# Altium PCB FIRE ARLARM_DEV.PcbDoc (part 2 of 2)
Units mil, origin at the board's own origin, x right, y up, seen from the top; angles counter-clockwise.
Board outline 3937.01 x 3937.01 mil, 2 copper layers (Top Layer, Bottom Layer); 111 components, 71 nets, 342 pads, 422 vias.
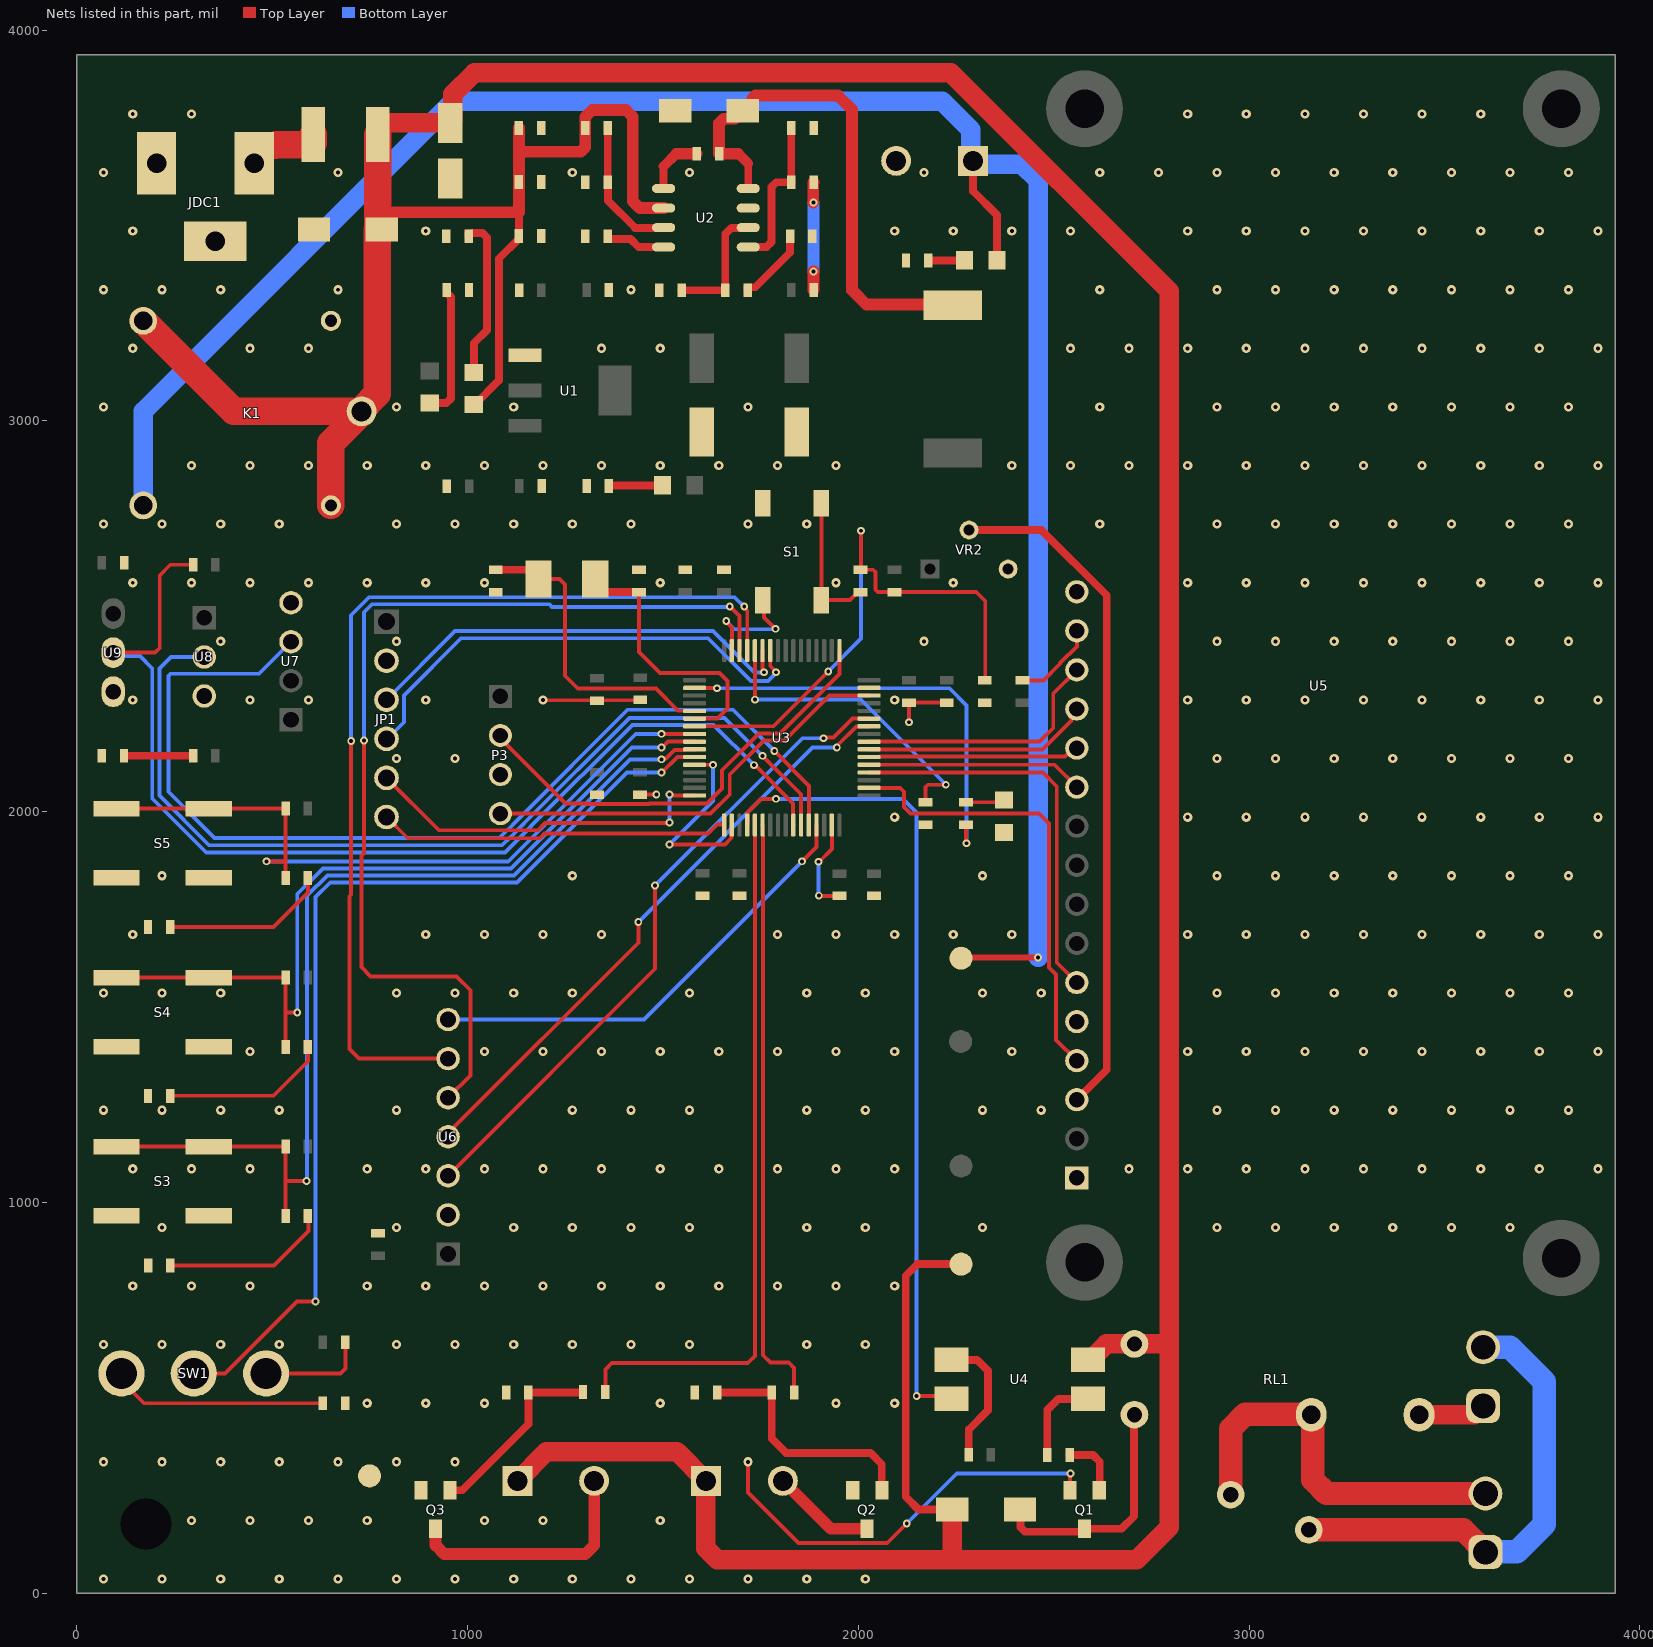
[diagram p2: the nets of this part, all layers, seen from the top]

## Via types
v1: diameter 23.62, hole 10, Top Layer to Bottom Layer, tented both sides, 359 vias
v2: diameter 20, hole 10, Top Layer to Bottom Layer, tented both sides, 63 vias

## Nets (pads, with @x,y where several pads share a name; then routed paths per layer and width w, separated by ;. In a path a pad name is that pad's centre, name@x,y a point inside that pad or via, vN(x,y) a via of type N, cw(c..) or ccw(c..) an arc to the next point about the centre after c; other vN are vias at no path point) (continued)
+12V: C1.1 C9.2 C10.2 C11.2 D1.2 D4.1 D7.2 F1.1 J2.1 J3.1 K1.COIL1 K1.COM K1.NO R4.2 RL1.1 TP2.1 U2.2 U4.4 | length 12194.7
  Top Layer w20: D1.2@779.99,3490 790.82,3490 811.33,3510.51 811.33,3534 ; D4.1@1016,3041.66 1017.97,3041.66 1080.13,3103.82 1080.13,3415.11 1131.46,3466.44 C11.2@1131.46,3473.33 1131.46,3534 ; D7.2@2240.53,214 2154,214 2121.37,246.63 2121.37,812.37 2151,842 TP2.1@2263,842
  Top Layer w30: 811.33,3534 1131.46,3534 C10.2@1131.46,3611.52 1131.46,3689 ; C9.2@1131.46,3750 1131.46,3689 ; U2.2@1501.73,3545 1440.57,3545 1423,3562.57 1423,3778.43 1405.43,3796 1319.03,3796 1301.46,3778.43 R4.2@1301.46,3750 1301.46,3700.72 1289.74,3689 1131.46,3689
  Top Layer w50: F1.1@770,3733 770,3757.87 775,3762.87 C1.1@956,3762.87 962.5,3769.36 962.5,3836.5 1017,3891 2237,3891 2796,3332 2796,637.71 ; J3.1@1127.15,287.43 1201.72,362 1535.43,362 J2.1@1610,287.43 1610,114.29 1639.29,85 2229,85 ; D7.2@2240.53,214 2240.53,96.53 2229,85 ; U4.4@2587.5,597 2599.31,597 2605.81,603.5 2605.81,608.42 2635.1,637.71 RL1.1@2706.83,637.71 2796,637.71 ; 2229,85 2712,85 2796,169 2796,637.71
  Top Layer w60: K1.COM@728.9,3021.85 K1.COM@728.9,3024.72 K1.COM@728.9,3029.26 ; D1.2@769.16,3489.49 769.67,3490 D1.2@779.99,3490
  Top Layer w70: K1.NO@169.84,3256.22 401.34,3024.72 K1.COM@728.9,3024.72 ; K1.COIL1@650.16,2783.78 650.16,2943.11 K1.COM@728.9,3021.85 ; K1.COM@728.9,3029.26 769.16,3069.53 D1.2@769.16,3489.49 ; D1.2@770,3495.51 F1.1@770,3733
AC1: P2.2 RL1.3 VR1.2 | length 1016
  Top Layer w60: VR1.2@2953,252 2953,421 2990,458 3158.19,458 3163.17,453.02 3163.17,290.15 3198.32,255 P2.2@3605.14,255
AC2: P1.2 P2.1 VR1.1 | length 1214.3
  Top Layer w60: VR1.1@3153,162 3548.14,162 P2.1@3605.14,105
  Bottom Layer w60: P1.2@3599.14,629 3668,629 3756,541 3756,176 3685.68,105.68 3605.82,105.68 P2.1@3605.14,105
GND: C1.2 C2.1 C3.1 C4.1 C5.1 C7.2 C8.2 C9.1 C10.1 C11.1 C13.1 C14.1 C15.1 C16.1 C17.1 C19.2 C20.1 C21.1 C22.1 C23.1 C24.1 C25.2 C26.1 C27.1 C28.1 C29.1 C30.1 C31.1 C32.2 C33.2 C34.1 C35.1 D1.1 D2.1 D8.2 J1.2 JDC1.2 JDC1.3 JP1.2 K1.COIL2 P3.3 Q1.1 Q2.1 Q3.1 R2.1 R3.1 R6.1 R7.1 R8.1 R9.1 R10.1 R14.2 R17.1 R18.1 R21.2 R27.2 S1.1 S1.2 S3.3 S3.4 S4.3 S4.4 S5.3 S5.4 TP5.1 U1.1 U2.7 U3.12 U3.18 U3.31 U3.47 U3.63 U5.1 U5.5 U5.16 U6.2 U7.4 U8.3 U9.3 VR2.3 | length 2584.7
  Top Layer w10: v1(1193,2286) 1193.77,2285.23 1330.23,2285.23 C20.1@1331,2284.46 1331.77,2285.23 1441.23,2285.23 C21.1@1442,2286 ; C31.1@1441,2043.38 1441.31,2043.69 1482.69,2043.69 v2(1483,2044) ; v2(1517,1916) 1658.38,1916 1675.76,1933.38 1675.76,1965.31 U3.18@1676.28,1965.82 ; U3.12@1581,2120.15 1627.85,2120.15 v2(1628,2120) ; v2(1662,2488) 1662,2485.29 1676.28,2471.02 U3.63@1676.28,2412.28 ; v1(1718,336) 1718,257 1846.84,128.16 2074.16,128.16 v2(2124,178) ; S1.1@1741.22,2526.65 S1.1@1755.91,2541.34 1759,2538.24 1759,2497 v2(1788,2468) ; v2(1898,1872) 1900,1872 1932.18,1904.18 U3.31@1932.18,1965.82 ; v2(1898.97,1785.08) 1899.6,1784.46 C24.1@1951.87,1784.46 C24.1@1951.09,1785.23 ; v2(2130,2229) 2130,2278.35 C22.1@2129.35,2279 C23.1@2226.42,2279 ; Q1.1@2542.25,263 2542.25,305.25 v2(2543,306)
  Bottom Layer w10: v2(1517,1916) 1628,2027 v2(1628,2120) ; v2(1662,2488) 1683,2467 1787,2467 v2(1788,2468) ; v2(1898,1872) 1898.49,1871.51 1898.49,1785.57 v2(1898.97,1785.08) ; v2(2124,178) 2252,306 v2(2543,306)
  other v1: 68,36 218,36 368,36 518,36 668,36 818,36 968,36 1118,36 1268,36 1418,36 1568,36 1718,36 1868,36 2018,36 293,186 443,186 593,186 743,186 1043,186 1193,186 1493,186 68,336 218,336 368,336 518,336 668,336 818,336 968,336 743,486 893,486 1043,486 1493,486 1943,486 2093,486 68,636 218,636 368,636 518,636 818,636 968,636 1118,636 1268,636 1418,636 1568,636 1868,636 2018,636 143,786 293,786 443,786 743,786 893,786 1043,786 1193,786 1343,786 1493,786 1643,786 1793,786 1943,786 2093,786 218,936 818,936 1118,936 1268,936 1418,936 1568,936 1868,936 2018,936 2318,936 2918,936 3068,936 3218,936 3368,936 3518,936 3668,936 143,1086 293,1086 443,1086 743,1086 893,1086 1043,1086 1193,1086 1343,1086 1493,1086 1643,1086 1793,1086 1943,1086 2093,1086 2693,1086 2843,1086 2993,1086 3143,1086 3293,1086 3443,1086 3593,1086 3743,1086 3893,1086 68,1236 218,1236 368,1236 518,1236 818,1236 1268,1236 1418,1236 1568,1236 1868,1236 2018,1236 2318,1236 2468,1236 2918,1236 3068,1236 3218,1236 3368,1236 3518,1236 3668,1236 3818,1236 443,1386 1043,1386 1193,1386 1343,1386 1493,1386 1643,1386 1793,1386 1943,1386 2093,1386 2393,1386 2843,1386 2993,1386 3143,1386 3293,1386 3443,1386 3593,1386 3743,1386 3893,1386 68,1536 218,1536 368,1536 818,1536 968,1536 1118,1536 1268,1536 1568,1536 1868,1536 2018,1536 2318,1536 2468,1536 2918,1536 3068,1536 3218,1536 3368,1536 3518,1536 3668,1536 3818,1536 143,1686 893,1686 1043,1686 1193,1686 1343,1686 1793,1686 1943,1686 2093,1686 2243,1686 2393,1686 2843,1686 2993,1686 3143,1686 3293,1686 3443,1686 3593,1686 3743,1686 3893,1686 218,1836 1268,1836 2318,1836 2918,1836 3068,1836 3218,1836 3368,1836 3518,1836 3668,1836 3818,1836 2093,1986 2843,1986 2993,1986 3143,1986 3293,1986 3443,1986 3593,1986 3743,1986 3893,1986 818,2136 968,2136 2918,2136 3068,2136 3218,2136 3368,2136 3518,2136 3668,2136 3818,2136 143,2286 443,2286 593,2286 893,2286 2093,2286 2843,2286 2993,2286 3143,2286 3293,2286 3443,2286 3593,2286 3743,2286 3893,2286 368,2436 818,2436 2168,2436 2918,2436 3068,2436 3218,2436 3368,2436 3518,2436 3668,2436 3818,2436 143,2586 293,2586 443,2586 593,2586 743,2586 893,2586 1043,2586 1493,2586 1943,2586 2243,2586 2843,2586 2993,2586 3143,2586 3293,2586 3443,2586 3593,2586 3743,2586 3893,2586 68,2736 218,2736 368,2736 518,2736 818,2736 968,2736 1118,2736 1268,2736 1418,2736 1718,2736 1868,2736 2618,2736 2918,2736 3068,2736 3218,2736 3368,2736 3518,2736 3668,2736 3818,2736 293,2886 443,2886 593,2886 743,2886 893,2886 1043,2886 1193,2886 1343,2886 1493,2886 1643,2886 1793,2886 1943,2886 2393,2886 2543,2886 2693,2886 2843,2886 2993,2886 3143,2886 3293,2886 3443,2886 3593,2886 3743,2886 3893,2886 68,3036 818,3036 1118,3036 1718,3036 2618,3036 2918,3036 3068,3036 3218,3036 3368,3036 3518,3036 3668,3036 3818,3036 143,3186 443,3186 593,3186 1343,3186 1493,3186 2543,3186 2693,3186 2843,3186 2993,3186 3143,3186 3293,3186 3443,3186 3593,3186 3743,3186 3893,3186 68,3336 218,3336 368,3336 668,3336 1418,3336 2618,3336 2918,3336 3068,3336 3218,3336 3368,3336 3518,3336 3668,3336 3818,3336 143,3486 893,3486 2093,3486 2243,3486 2393,3486 2543,3486 2843,3486 2993,3486 3143,3486 3293,3486 3443,3486 3593,3486 3743,3486 3893,3486 68,3636 668,3636 1268,3636 1568,3636 2168,3636 2618,3636 2768,3636 2918,3636 3068,3636 3218,3636 3368,3636 3518,3636 3668,3636 3818,3636 143,3786 293,3786 2843,3786 2993,3786 3143,3786 3293,3786 3443,3786 3593,3786
NetC6_1: C6.1 U2.1 | length 154.8
  Top Layer w20: U2.1@1501.73,3595 1501.73,3651.73
  Top Layer w25: 1501.73,3651.73 1534,3684
  Top Layer w30: 1534,3684 C6.1@1586.46,3684
NetC6_2: C6.2 D2.2 L1.1 U2.8 | length 1354
  Top Layer w20: U2.8@1718.27,3595 1718.27,3658.73
  Top Layer w25: 1693,3684 1718.27,3658.73
  Top Layer w30: 1693,3684 C6.2@1643.54,3684 1643.54,3761.77 1655.26,3773.49 1684.1,3773.49 D2.2@1704.61,3794 1708.49,3794 1729,3814.51 1729,3825.28 1736.62,3832.9 1948.1,3832.9 1984.05,3796.95 1984.05,3334.95 2021,3298 2240,3298 L1.1@2242,3296
NetC12_1: C12.1 C13.2 U2.6 | length 321.7
  Top Layer w20: C13.2@1547.54,3334.44 C12.1@1659.56,3334.44 1659.56,3478.56 1675.31,3494.31 1717.57,3494.31 U2.6@1718.27,3495
NetC12_2: C12.2 R7.2 | length 194.6
  Top Layer w20: C12.2@1716.65,3334.44 1716.65,3341.33 1717.48,3342.16 1736.16,3342.16 1825.46,3431.46 R7.2@1825.46,3473
NetC14_2: C14.2 U2.4 | length 158
  Top Layer w20: C14.2@1358.76,3472.77 1358.76,3466.83 1359.58,3466 1417,3466 1438,3445 U2.4@1501.73,3445
NetC15_2: C15.2 U3.5 Y1.1 | length 795.7
  Top Layer w10: Y1.1@1181.17,2596 1235,2596 1249,2582 1249,2348 1282,2315 1482,2315 1538.54,2258.46 1580.49,2258.46 U3.5@1581,2257.94
  Top Layer w20: C15.2@1072,2619.21 1157.95,2619.21 Y1.1@1181.17,2596
NetC16_2: C16.2 U3.6 Y1.2 | length 707.7
  Top Layer w10: C16.2@1439,2561.91 1439,2409 1492.8,2355.2 1644.8,2355.2 1665,2335 1665,2264 1639.26,2238.26 U3.6@1581,2238.26
  Top Layer w20: Y1.2@1326.83,2596 1326.83,2585.38 1350.3,2561.91 C16.2@1439,2561.91
NetC17_2: C17.2 R13.1 R32.2 U3.7 | length 1482.5
  Top Layer w10: U3.7@1581,2218.57 1782.57,2218.57 v2(1923,2359) ; v2(2007,2719) 2007,2620.21 R32.2@2006,2619.21 2038.14,2619.21 2044,2613.35 2044,2567.98 2049.86,2562.13 R13.1@2093,2562.13 2301.87,2562.13 2325,2539 2325,2337.54 C17.2@2330,2342.54
  Bottom Layer w10: v2(1923,2359) 2007,2443 v2(2007,2719)
NetC19_1: C19.1 R29.2 | length 426
  Top Layer w10: C19.1@240.09,838 504,838 592.3,926.3 R29.2@592.3,963.55
NetC32_1: C32.1 R30.2 | length 426
  Top Layer w10: C32.1@239.09,1273 503,1273 591.3,1361.3 R30.2@591.3,1398.55
NetC33_1: C33.1 R31.2 | length 426
  Top Layer w10: C33.1@239.09,1705 503,1705 591.3,1793.3 R31.2@591.3,1830.55
NetD3_2: D3.2 R8.2 | length 339.7
  Top Layer w20: D3.2@903,3045.66 903.24,3045.91 945.66,3045.91 957.37,3057.62 957.37,3317.19 947.28,3327.28 R8.2@947.28,3333.8
NetD4_2: D4.2 R6.2 | length 418.7
  Top Layer w20: R6.2@1002.54,3473 1002.54,3479.89 1003.37,3480.72 1010.26,3480.72 1010.54,3481 1038.28,3481 1050,3469.28 1050,3233 1016,3199 D4.2@1016,3124.34
NetD5_2: D5.2 R2.2 | length 138.4
  Top Layer w20: R2.2@1361.54,2833.56 1361.54,2833.95 1362.37,2834.78 1497.44,2834.78 D5.2@1498.66,2836
NetD6_2: D6.2 R3.2 | length 93.8
  Top Layer w20: R3.2@2179.2,3411 D6.2@2272.32,3411 D6.2@2271.82,3410.5
NetD7_1: D7.1 Q1.2 RL1.2 | length 618.8
  Top Layer w20: D7.1@2413.76,214 2415,212.76 2415,168.72 2426.72,157 2572.52,157 2579.25,163.73 Q1.2@2579.25,164.79 2673.79,164.79 2706,197 2706,455.78 RL1.2@2706.83,456.61
NetD8_1: D8.1 R20.1 | length 99.3
  Top Layer w10: R20.1@2276,2024.1 2367.1,2024.1 D8.1@2372.9,2029.9
NetF1_0: F1.0 JDC1.1 | length 210.7
  Top Layer w70: JDC1.1@454,3660 454,3690 469,3705 508.01,3705 510.01,3707 599.59,3707 604.59,3712 F1.0@604.59,3733
NetJ2_2: J2.2 Q2.2 | length 266.7
  Top Layer w30: J2.2@1806.85,287.43 1929.5,164.79 Q2.2@2022.79,164.79
NetJ3_2: J3.2 Q3.2 | length 631.9
  Top Layer w30: Q3.2@918,164.79 918,122 940,100 1301.14,100 1324,122.86 J3.2@1324,287.43
NetJP1_3: JP1.3 U3.59 | length 1141.4
  Top Layer w10: JP1.3@792.38,2286.43 JP1.3@793.59,2285.21 ; U3.59@1755.02,2412.28 1755.02,2363.02 1758.33,2359.71 v2(1758.33,2357)
  Bottom Layer w10: JP1.3@792.38,2286.43 967.95,2462 1628,2462 1734.09,2355.91 1757.24,2355.91 v2(1758.33,2357)
NetJP1_4: JP1.4 U3.58 | length 1262.1
  Top Layer w10: U3.58@1774.7,2412.28 1774.7,2373.16 1787.09,2360.77 1787.09,2355.44 v2@1789,2353.53
  Bottom Layer w10: JP1.4@792.38,2186.43 794.43,2186.43 836.87,2228.87 836.87,2297.87 983,2444 1615.08,2444 1725.08,2334 1769,2334 1788.53,2353.53 v2@1789,2353.53
  other v2: 1789,2357
NetJP1_5: JP1.5 U3.16 | length 925.2
  Top Layer w10: JP1.5@792.38,2086.43 926.33,1952.47 1180.02,1952.47 1198.54,1971 1515.92,1971 v2(1517,1972.08) ; v2(1517,2044) 1519.71,2044 1522.3,2041.41 U3.16@1581,2041.41
  Bottom Layer w10: v2(1517,1972.08) v2(1517,2044)
NetJP1_6: JP1.6 U3.17 | length 902.1
  Top Layer w10: JP1.6@792.38,1986.43 846.8,1932 1185,1932 1197,1944 1616,1944 1639,1967 1656.08,1967 1656.59,1966.49 U3.17@1656.59,1965.82
NetP1_1: P1.1 RL1.4 | length 173.2
  Top Layer w50: RL1.4@3435.17,456.61 3576.75,456.61 P1.1@3599.14,479
NetP3_2: P3.2 U3.49 | length 1169.8
  Top Layer w10: P3.2@1084,2195 1084,2187.66 1250.66,2021 1306.45,2021 1307.9,2019.55 1464.1,2019.55 1465.55,2021 1613,2021 1651,2059 1651,2106 1745.57,2200.57 1799.57,2200.57 1951.87,2352.87 U3.49@1951.87,2412.28
NetP3_4: P3.4 U3.46 | length 1098.6
  Top Layer w10: P3.4@1084,1995 1365.33,1995 1365.41,1995.08 1622.08,1995.08 1671,2044 1671,2095 1758.57,2182.57 1811.57,2182.57 1926.31,2297.31 U3.46@2027.46,2297.31
NetQ1_3: Q1.3 R12.2 | length 157.7
  Top Layer w20: R12.2@2540.88,353.44 2600.56,353.44 2618,336 2618,264.56 Q1.3@2616.65,263.21
NetQ2_3: Q2.3 R15.1 R17.2 | length 633.6
  Top Layer w20: R17.2@1638.65,513.81 R15.1@1778.41,513.81 1778.41,395.59 1815,359 2031,359 2060.19,329.81 Q2.3@2060.19,263.21
NetQ3_3: Q3.3 R16.2 R18.2 | length 491.6
  Top Layer w20: Q3.3@955.4,263.21 986.21,263.21 1155.54,432.54 R18.2@1155.54,513.81 1294.79,513.81 R16.2@1295.35,514.37
NetR1_1: R1.1 R5.2 | length 276.6
  Top Layer w30: v2(1885,3559) 1885,3610.35 R5.2@1885.76,3611.11 ; v2(1885.27,3382.49) 1885.54,3382.22 R1.1@1885.54,3335
  Bottom Layer w30: v2(1885,3559) 1885.27,3558.73 v2(1885.27,3382.49)
NetR4_1: R4.1 R9.2 U2.3 | length 358.1
  Top Layer w20: R4.1@1358.54,3750 1358.65,3749.89 1358.65,3611.21 1359.31,3610.55 1359.31,3563.69 1428.69,3494.31 1501.04,3494.31 U2.3@1501.73,3495
NetR5_1: R5.1 R10.2 U2.5 | length 400.8
  Top Layer w20: U2.5@1718.27,3445 1718.96,3445.69 1765.69,3445.69 1778,3458 1778,3599 1790.11,3611.11 R5.1@1828.67,3611.11 1828.56,3611.21 1828.56,3749.89 R10.2@1828.46,3750
NetR11_2: R11.2 U4.1 | length 340.6
  Top Layer w20: U4.1@2238.5,597 2304,597 2332,569 2332,468 2282.46,418.46 R11.2@2282.46,354
NetR12_1: R12.1 U4.3 | length 230.7
  Top Layer w20: R12.1@2483.79,353.44 2483.79,468.79 2512,497 U4.3@2587.5,497
NetR14_1: R14.1 U3.60 | length 798.3
  Top Layer w10: v2(1735.33,2286.67) U3.60@1735.33,2412.28 ; R14.1@2172,2023.71 2172,2063.14 2177.86,2069 v2(2224,2069)
  Bottom Layer w10: v2(1735.33,2286.67) 2006.33,2286.67 v2(2224,2069)
NetR15_2: R15.2 U3.22 | length 1521.1
  Top Layer w10: U3.22@1755.02,1965.82 1755.53,1965.31 1755.53,1939.15 1756.19,1938.49 1756.19,608.81 1775,590 1822,590 1835.5,576.5 R15.2@1835.5,513.81 R15.2@1829.67,519.64
NetR16_1: R16.1 U3.21 | length 1813.9
  Top Layer w10: R16.1@1352.44,514.37 1352.44,572.44 1369,589 1717,589 1735.33,607.33 U3.21@1735.33,1965.82
NetR19_1: R19.1 SW1.1 | length 275.2
  Top Layer w10: SW1.1@484.32,562.2 674.2,562.2 687,575 687,641.54 R19.1@686.54,642
NetR20_2: R20.2 U3.2 | length 1115.1
  Top Layer w10: U3.2@1581,2317 1581.5,2316.5 1637.5,2316.5 v2(1638,2316) ; R20.2@2276,1966.62 2276,1920.11 v2(2276.87,1919.24)
  Bottom Layer w10: v2(1638,2316) 2233,2316 2276.87,2272.13 v2(2276.87,1919.24)
NetR21_1: R21.1 SW1.3 | length 557.6
  Top Layer w10: SW1.3@114.24,562.2 114.24,543.76 172,486 R21.1@629.46,486
NetR22_1: R22.1 U5.15 | length 216.2
  Top Layer w10: R22.1@2420,2335.87 2473.87,2335.87 2516.63,2378.63 2516.63,2380.46 2559.31,2423.15 U5.15@2559.31,2462.78
NetR23_2: R23.2 R30.1 S4.1 S4.2 U3.9 | length 2121.7
  Top Layer w10: S4.1@101.43,1575.39 S4.2@337.65,1575.39 533.72,1575.39 534.11,1575 534.11,1486.53 ; R30.1@534.21,1397.94 534.11,1398.05 534.11,1486.53 ; v2(564,1486) 563.47,1486.53 534.11,1486.53 ; v2(1496.06,2164.17) 1498.09,2164.17 1513.13,2179.2 U3.9@1581,2179.2
  Bottom Layer w10: v2(564,1486) 564,1789 630,1855 1111.56,1855 1420.73,2164.17 v2(1496.06,2164.17)
NetR24_1: R24.1 U3.26 U9.2 | length 2828.3
  Top Layer w10: U9.2@93,2407 200.28,2407 212,2418.72 212,2605 239,2632 R24.1@297.56,2632 ; v2(1733,2119) 1735.53,2119 1833.24,2021.28 1833.24,1966.33 U3.26@1833.76,1965.82
  Bottom Layer w10: U9.2@93,2407 101.67,2398.33 161.67,2398.33 193,2367 193,2034 331,1896 1095.46,1896 1115.93,1916.47 1116.53,1916.47 1162.53,1962.47 1162.53,1963.07 1421.75,2222.3 1629.7,2222.3 v2(1733,2119)
NetR25_2: R25.2 R31.1 S5.1 S5.2 U3.8 | length 1897.8
  Top Layer w10: S5.1@101.43,2008 S5.2@337.65,2008 533.72,2008 R25.2@534,2008.28 534.11,2008.17 534.11,1872 ; v2(485,1873) 533.11,1873 534.11,1872 ; R31.1@529.66,1826 R31.1@534.21,1830.55 534.11,1830.66 534.11,1872 ; v2@1494.84,2199.3 1495.24,2198.89 U3.8@1581,2198.89
  Bottom Layer w10: v2(485,1873) 1104.11,1873 1430.4,2199.3 v2@1494.84,2199.3
  other v2: 1496.06,2199.3
NetR26_2: R26.2 R27.1 | length 176.9
  Top Layer w20: R27.1@120.54,2143 R26.2@297.46,2143
NetR28_2: R28.2 R29.1 S3.1 S3.2 U3.10 | length 2541.9
  Top Layer w10: S3.1@101.43,1142.78 S3.2@337.65,1142.78 533.72,1142.78 R28.2@534,1143.06 534.11,1142.95 534.11,1054.33 ; R29.1@534.21,965.61 534.11,965.72 534.11,1054.33 ; v2(588,1055) 587.33,1054.33 534.11,1054.33 ; v2(1496.06,2134) 1497.98,2135.91 1507.46,2135.91 1529.89,2158.35 1553.67,2158.35 1554.33,2159.01 1580.49,2159.01 U3.10@1581,2159.52
  Bottom Layer w10: v2(588,1055) 589,1056 589,1785 641,1837 1119.02,1837 1416.02,2134 v2@1496,2134
NetR32_1: R32.1 S1.3 S1.4 | length 357.1
  Top Layer w10: S1.4@1905.51,2789.37 S1.3@1905.51,2541.34 1978.32,2541.34 1999.11,2562.13 R32.1@2006,2562.13
NetSW1_2: SW1.2 U3.11 | length 2541.8
  Top Layer w10: SW1.2@299.28,562.2 379.51,562.2 563.31,746 v2(611,746) ; v2@1497,2100 1536.83,2139.83 U3.11@1581,2139.83
  Bottom Layer w10: v2(611,746) 611,1781.54 648.46,1819 1126.47,1819 1407.47,2100 v2@1497,2100
  other v2: 1496.06,2100
NetU3_20: U3.20 U4.2 | length 2080.2
  Top Layer w10: U3.20@1715.65,1965.82 1716.16,1966.33 1716.16,1998.26 1750.9,2033 v2(1789,2033) ; v2(2149.37,504.57) 2230.93,504.57 U4.2@2238.5,497
  Bottom Layer w10: v2(1789,2033) 2114,2033 2149.37,1997.63 v2(2149.37,504.57)
NetU3_27: U3.27 U8.2 | length 2442.5
  Top Layer w10: v2(1755.02,2142.98) 1853.44,2044.56 U3.27@1853.44,1965.82
  Bottom Layer w10: U8.2@326,2396 241,2396 211,2366 211,2041.46 338.46,1914 1088,1914 1108.47,1934.47 1109.07,1934.47 1144.53,1969.93 1144.53,1970.53 1414.3,2240.3 1657.7,2240.3 v2(1755.02,2142.98)
NetU3_28: U3.28 U7.3 | length 2653.2
  Top Layer w10: v2(1785,2155) 1874.3,2065.7 1874.3,1993.15 1873.64,1992.49 1873.64,1966.33 U3.28@1873.13,1965.82
  Bottom Layer w10: U7.3@548,2435 466.08,2353.08 239.86,2353.08 234,2347.22 234,2051 352,1933 1081,1933 1100.47,1952.47 1101.62,1952.47 1126.53,1977.38 1126.53,1977.98 1409.54,2261 1679,2261 v2(1785,2155)
NetU3_29: U3.29 U6.7 | length 1181.9
  Top Layer w10: v2(1856,1873) 1892.91,1909.91 1892.91,1965.72 U3.29@1892.81,1965.82
  Bottom Layer w10: U6.7@950,1468 1451,1468 v2(1856,1873)
NetU3_34: U3.34 U5.4 | length 1157.9
  Top Layer w10: U3.34@2027.46,2061.09 2027.97,2060.58 2107.42,2060.58 2117,2051 2117,2012 2133.76,1995.24 2462.76,1995.24 2488,1970 2488,1601 2506,1583 2506,1416.09 U5.4@2559.31,1362.78
NetU3_36: U3.36 U5.6 | length 1018.7
  Top Layer w10: U3.36@2027.46,2100.46 2472.54,2100.46 2508,2065 2508,1614.09 U5.6@2559.31,1562.78
NetU3_37: U3.37 U5.11 | length 555.6
  Top Layer w10: U3.37@2027.46,2120.15 2501.94,2120.15 U5.11@2559.31,2062.78
NetU3_38: U3.38 U5.12 | length 541.4
  Top Layer w10: U3.38@2027.46,2139.83 2027.97,2140.35 2054.13,2140.35 2054.79,2141.01 2528.77,2141.01 2550.54,2162.78 U5.12@2559.31,2162.78
NetU3_39: U3.39 U5.13 | length 583.7
  Top Layer w10: U3.39@2027.46,2159.52 2471.52,2159.52 2545.45,2233.45 2545.45,2235.56 2559.31,2249.42 U5.13@2559.31,2262.78
NetU3_40: U3.40 U5.14 | length 659.7
  Top Layer w10: U3.40@2027.46,2179.2 2464.2,2179.2 2499,2214 2499,2302.46 U5.14@2559.31,2362.78
NetU3_42: U3.42 U6.4 | length 1551.9
  Top Layer w10: U6.4@950,1168 950,1177.46 1437,1664.46 v2(1437,1718) ; v2(1945,2164) 1946.91,2165.91 1946.91,2169.96 1995.02,2218.06 2026.94,2218.06 U3.42@2027.46,2218.57
  Bottom Layer w10: v2(1437,1718) 1883,2164 v2(1945,2164)
NetU3_43: U3.43 U6.3 | length 1687
  Top Layer w10: U6.3@950,1068 1480,1598 v2(1480,1811) ; v2(1911,2188) 1912.91,2189.91 1936.91,2189.91 1985.26,2238.26 U3.43@2027.46,2238.26
  Bottom Layer w10: v2(1480,1811) 1857,2188 v2(1911,2188)
NetU3_61: U3.61 U6.6 | length 2525.8
  Top Layer w10: v2(702,2181) 702,1787.65 697.5,1783.15 697.5,1392.5 722,1368 U6.6@950,1368 ; v2(1708,2525) 1708,2522.29 1715.65,2514.65 U3.61@1715.65,2412.28
  Bottom Layer w10: v2(702,2181) 702,2502.88 748.04,2548.92 1683.57,2548.92 1707.49,2525 v2(1708,2525)
NetU3_62: U3.62 U6.5 | length 2584.8
  Top Layer w10: v2(735,2182) 735,1894.15 728,1887.15 728,1602 752,1578 972,1578 1007,1543 1007,1325 U6.5@950,1268 ; v2(1671,2525) 1672,2525 1695.96,2501.04 U3.62@1695.96,2412.28
  Bottom Layer w10: v2(735,2182) 735,2510.42 755.5,2530.92 1209.43,2530.92 1216.36,2524 1670,2524 v2(1671,2525)
NetU5_3: U5.3 VR2.2 | length 1744.3
  Top Layer w20: VR2.2@2283.46,2721 2468.53,2721 2635.83,2553.7 2635.83,1339.29 U5.3@2559.31,1262.78
VBAT: D6.1 J1.1 K1.NC TP3.1 | length 5455.1
  Top Layer w15: TP3.1@2265,1627 v2(2460,1627)
  Top Layer w20: TP3.1@2263,1625 TP3.1@2265,1627 ; TP3.1@2275,1625 TP3.1@2275.61,1624.39 ; J1.1@2293.85,3666 2293.85,3588.15 2355,3527 D6.1@2355,3411
  Bottom Layer w50: K1.NC@169.84,2783.78 169.84,3024.84 963,3818 2215,3818 2288,3745 2288,3671.85 J1.1@2293.85,3666 2302.85,3657 2419,3657 2461,3615 2461,1628 v2(2460,1627)
pads on no net: U3.3 U3.4 U3.14 U3.15 U3.23 U3.24 U3.25 U3.30 U3.33 U3.35 U3.41 U3.44 U3.45 U3.50 U3.51 U3.52 U3.53 U3.54 U3.55 U3.56 U3.57 U5.7 U5.8 U5.9 U5.10 U5.S1 U5.S2 U5.S3 U5.S4 U7.2

## Polygon pours and split planes (outlines as drawn)
GND on Top Layer "NONET_L-01_P-001" (solid, remove dead copper, pour order 26): 0,0 0,3937 3937,3937 3937,0
NetC6_2 on Top Layer "NONET_L-01_P-001" (solid, pour order 22): 1621,3848 2022.23,3848 2021,3363 2051.87,3338 2323,3338 2323,3270.21 2023.4,3269.79 1955.5,3323.9 1955.5,3783 1683,3783 1683,3705.52 1689.91,3705.52 1689.91,3655 1621,3655
NetF1_0 on Top Layer "NONET_L-01_P-001" (solid, pour order 14): 377.06,3814.06 377.06,3808.06 377.06,3548.06 517.91,3548.06 517.91,3671.15 641.01,3671.15 640.06,3811.06 641.01,3814.06
VBAT on Top Layer "NONET_L-01_P-001" (solid, pour order 7): 2254.5,3723.5 2338.5,3723.5 2351.5,3710.5 2351.5,3613.5 2341.5,3603.5 2250.5,3603.5 2237.5,3616.5 2237.5,3716.5
+12V on Top Layer "NONET_L-01_P-001" (solid, pour order 16): 682,3077 682,2973 776,2973 776,2981 776,3076
+12V on Top Layer "NONET_L-01_P-001" (solid, pour order 17): 789,3555 789,3445 789.5,3445.5 829,3445.5 829,3553 828,3554
NetF1_0 on Top Designator "NONET_L-01_P-001" (solid): 455,3809 461,3815 655,3815 655,3626 653,3624 641,3636 476,3636
GND on Bottom Layer "NONET_L-01_P-001" (solid, remove dead copper, pour order 1): 0,3937.01 3937,3937.01 3937,797.01 2105.61,797.01 2108.8,0.01 0,0.01

## Keep-outs
Keep-Out Layer:
  the board outline again, w10

## Other copper
Top Layer:
  pour cut-out: 1608,2385 2001,2385 2001,1992 2000,1993 1608,1993
Bottom Layer:
  pour cut-out: 1608,2386 2001,2386 2001,1993 1608,1993
Multi-Layer:
  pour cut-out: 2055.22,3267 2426,3267 2426,2949 2055.22,2949
  lines w10: 2363,442 2410,442 2410,652 2363,652 2363,442 ; 3264,405 3327,405 3327,686 3264,686 3264,405

## Silkscreen, mask and mechanical layers (free items; w line width, h text height)
Top Overlay:
  text "+" at 2353,3938.24 h118.11 r180
  text "-" at 2057,3931.73 h118.11 r180
  text "BAT" at 2248,3925 h78.74 r180
  text "12V-DC" at 143,3858.67 h60
  text "12V_BAT" at 2228,3454.99 h39.37
  text "LED" at 2390.82,3322 h39.37
  text "12V" at 982.15,3184.84 h39.37
  text "5V" at 861,3183.44 h39.37
  text "LED" at 978.82,2949 h39.37
  text "LED" at 850,2936 h39.37
  text "MQ-2" at 508,2615.97 h39.37
  text "DHT22" at 53,2574 h27.56
  text "Flame Sensor" at 259,2571.31 h27.56
  text "+" at 400.84,2527 h78.74 r270
  text "+" at 156.84,2523 h78.74 r270
  text "-" at 670.73,2521 h118.11 r90
  text "3V" at 1137,2480.39 h35.43
  text "3V" at 862.58,2469.31 h47.24
  text "SWCLK" at 1137,2444.73 h35.43
  text "OUT" at 410.44,2441 h39.37 r270
  text "OUT" at 166.44,2437 h39.37 r270
  text "GND" at 1137,2409.06 h35.43
  text "OUT" at 648.56,2407 h39.37 r90
  text "GND" at 862.58,2374.31 h47.24
  text "SWIDO" at 1137,2373.39 h35.43
  text "-" at 402.27,2318 h118.11 r270
  text "-" at 158.27,2314 h118.11 r270
  text "NC" at 649.56,2308 h39.37 r90
  text "SDA" at 862.58,2271.31 h47.24
  text "+" at 661.16,2225 h78.74 r90
  text "LCD 16X2" at 3019,2179.41 h236.22
  text "SCL" at 862.58,2174.31 h47.24
  text "PC13" at 2331,2088.44 h39.37
  text "TXD2" at 862.58,2069.79 h47.24
  text "PUMP" at 414.66,1989 h59.06 r270
  text "RXD1" at 862.58,1978.79 h47.24
  text "LED" at 2343,1865 h39.37
  text "12V_BAT" at 2195,1684.99 h39.37
  text "BUZZER" at 414.66,1589 h59.06 r270
  text "5V" at 2243,1471.44 h39.37
  text "MODULE SIM" at 1255,1286.6 h157.48
  text "TEST POINT" at 2139,1248.66 h59.06
  text "5V" at 2243.18,1152.88 h39.37
  text "A7682S" at 1382,1134.31 h118.11
  text "LIGHT" at 414.66,1128.38 h59.06 r270
  text "5V" at 2246,906.44 h39.37
  text "AUTO" at 363,718.66 h59.06
  text "HAND" at 45,718 h59.06
  text "-----" at 201,717.84 h78.74
  text ">" at 324,712.27 h78.74
  text "GND" at 708,358.44 h39.37
  text "220~AC" at 3268.93,150.87 h78.74
  text "c" at 338,62.25 h314.96
  text "OUT" at 840,27.87 h78.74
  text "12V" at 1180,24 h78.74
  text "12V" at 1671,23 h78.74
  text "-" at 1358,18.27 h118.11
  text "-" at 1828,18.27 h118.11
  text "+" at 1571,12.76 h118.11
  text "+" at 1062,11.76 h118.11
Bottom Overlay:
  text "Designed by:  Le Viet Trong" at 3829,3544.19 h118.11
  text "Supervisor:  Th.S Bui Quoc Bao" at 3831,3392.99 h118.11
  text "Department of Electronics Engineering - HCMUT" at 3821,3222.19 h118.11
  text "a" at 3079,110.66 h590.55
  text "b" at 2890.83,32.96 h1574.8

## Text inside footprints (layer, text, board x,y; h text height)
C1: Top Overlay "+" at 975.68,3825.86 h23.62 r90
C7: Top Overlay "+" at 1699,3205 h48 r90
C8: Top Overlay "+" at 1943,3202 h48 r90